# Altium PCB roach2.PcbDoc (part 38 of 39) (continued)
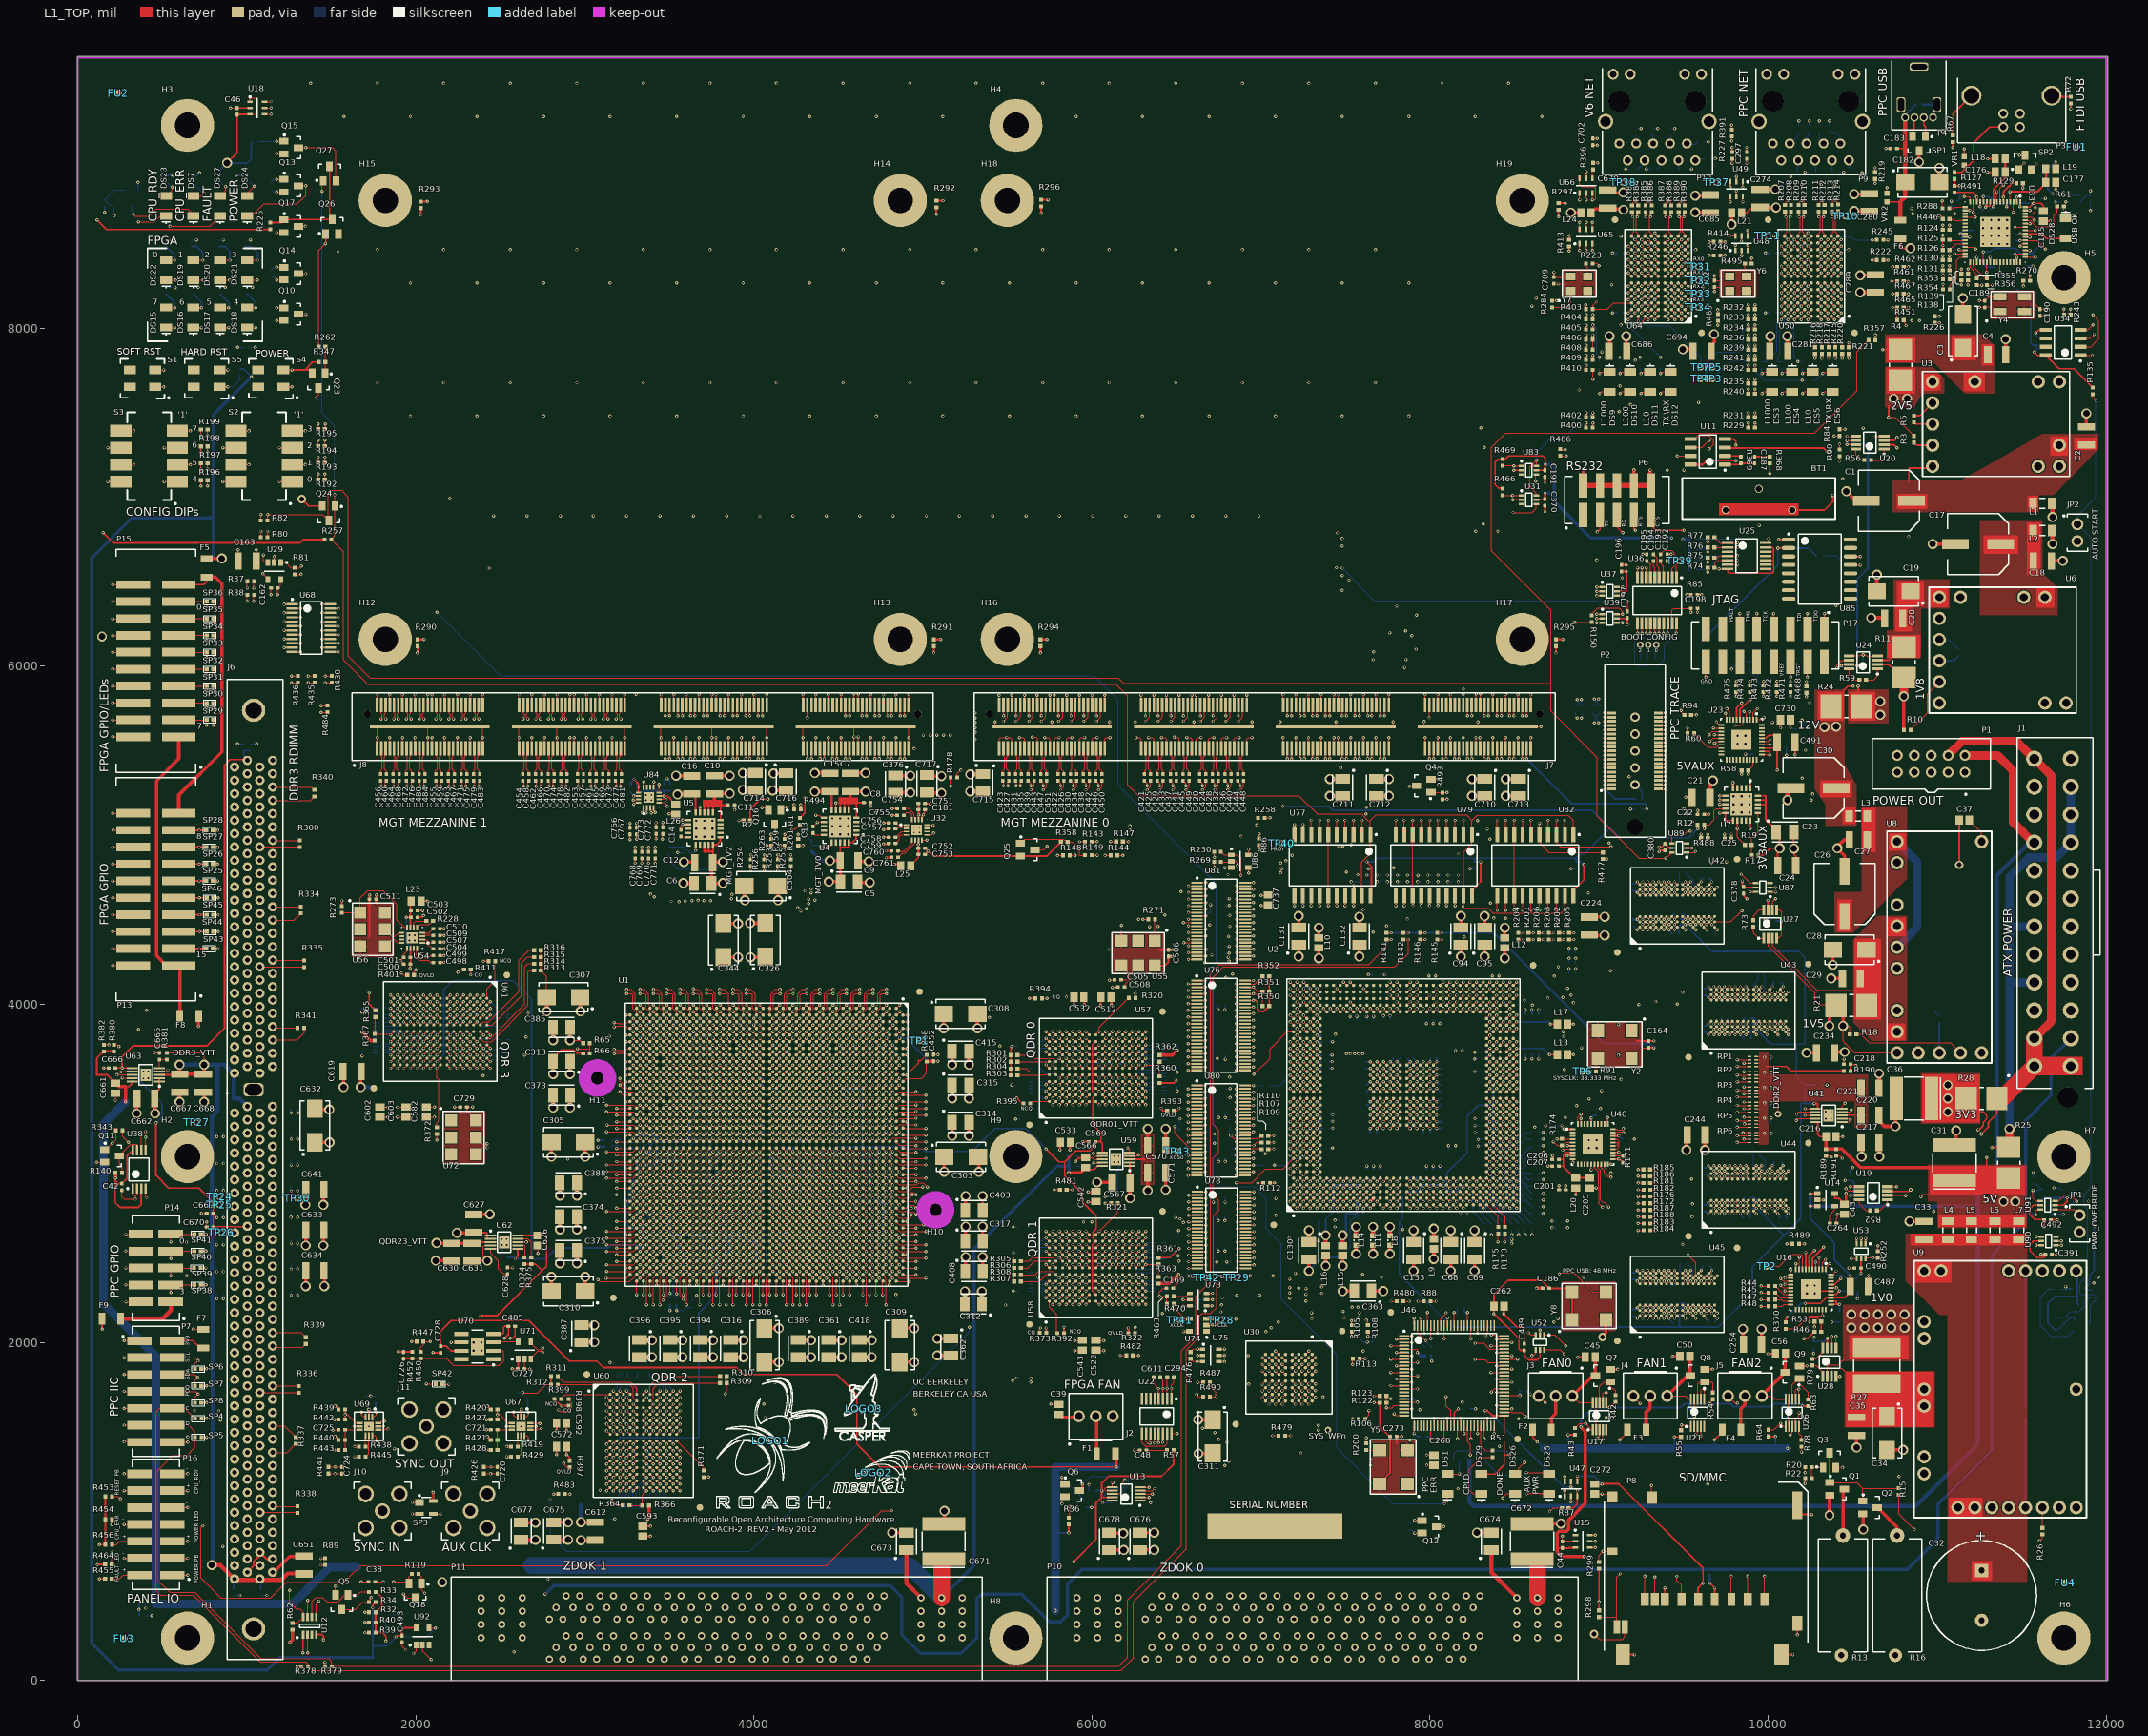
[diagram p0: L1_TOP view]
## Nets (pads, with @x,y where several pads share a name; then routed paths per layer and width w, separated by ;. In a path a pad name is that pad's centre, name@x,y a point inside that pad or via, vN(x,y) a via of type N, cw(c..) or ccw(c..) an arc to the next point about the centre after c; other vN are vias at no path point) (continued)
ZDOK1.DP_P15: P11.D11 U1.U36 | length 3354.1
  L1_TOP w5: U1.U36@4251.07,2596.89 v1(4270.76,2577.2)
  L12_S w3.8: P11.D11@3790.2,362.2 3802.41,374.41 3802.41,408.66 3794.61,416.46 3794.61,445.75 3813.19,464.33 3813.19,803.19 4227.19,1217.19 4227.19,1615.59 ccw(c4222.79,1615.59) 4222.79,1619.99 4181.07,1619.99 cw(c4181.07,1632.19) 4181.07,1644.39 4281.63,1644.39 ccw(c4281.63,1648.79) 4286.03,1648.79 ccw(c4281.63,1648.79) 4281.63,1653.19 4181.07,1653.19 cw(c4181.07,1665.39) 4181.07,1677.59 4281.63,1677.59 ccw(c4281.63,1681.99) 4286.03,1681.99 ccw(c4281.63,1681.99) 4281.63,1686.39 4181.07,1686.39 cw(c4181.07,1698.59) 4181.07,1710.79 4281.63,1710.79 ccw(c4281.63,1715.19) 4286.03,1715.19 ccw(c4281.63,1715.19) 4281.63,1719.59 4181.07,1719.59 cw(c4181.07,1731.79) 4181.07,1743.99 4281.63,1743.99 ccw(c4281.63,1748.39) 4286.03,1748.39 ccw(c4281.63,1748.39) 4281.63,1752.79 4239.39,1752.79 cw(c4239.39,1764.99) 4227.19,1764.99 4227.19,1801.19 4247.99,1821.99 4265.69,1839.69 4265.69,2179.22 4286.73,2200.26 4286.73,2252.55 4267.04,2272.24 4267.04,2390.35 4247.36,2410.03 4247.36,2553.8 v1(4270.76,2577.2)
ZDOK1.DP_P16: P11.D13 U1.T41 | length 3406.6
  L1_TOP w5: U1.T41@4290.44,2400.04 4310.13,2380.35 v2(4310.13,2222.87)
  L14_S w3.8: P11.D13@3990.2,362.2 3990.2,430.3 4029.19,469.3 4029.19,831.19 4059.59,861.59 ccw(c4056.48,864.71) 4060.88,864.71 ccw(c4056.48,864.71) 4059.59,867.82 ; 4059.59,867.82 4018.94,908.47 cw(c4027.56,917.1) 4018.93,925.73 cw(c4027.56,917.1) 4036.18,925.73 4129.25,832.67 ccw(c4132.36,835.78) 4135.47,832.67 ccw(c4132.36,835.78) 4136.76,835.78 ccw(c4132.36,835.78) 4135.47,838.89 ; 4135.46,838.9 4042.41,931.95 cw(c4051.03,940.58) 4042.41,949.21 cw(c4051.03,940.58) 4059.66,949.21 4152.72,856.15 ; 4152.72,856.14 ccw(c4155.83,859.26) 4158.94,856.14 ccw(c4155.83,859.26) 4160.23,859.26 ccw(c4155.83,859.26) 4158.94,862.37 4065.88,955.43 cw(c4074.51,964.05) 4065.88,972.68 cw(c4074.51,964.05) 4083.13,972.68 4176.19,879.62 ccw(c4179.31,882.73) 4182.42,879.62 ccw(c4179.31,882.73) 4183.71,882.73 ccw(c4179.31,882.73) 4182.42,885.84 4089.36,978.9 cw(c4097.98,987.53) 4089.36,996.16 cw(c4097.98,987.53) 4106.61,996.16 4199.67,903.09 ccw(c4202.78,906.21) 4205.89,903.09 ccw(c4202.78,906.21) 4207.18,906.21 ccw(c4202.78,906.21) 4205.89,909.32 ; 4205.89,909.32 4165.23,949.98 cw(c4173.86,958.61) 4165.23,967.23 4373.42,1175.42 4373.42,2040.93 4340.59,2073.76 4340.59,2170.39 4338.99,2171.99 4338.99,2234.99 4325.99,2247.99 4315.99,2247.99 4311.02,2243.02 v2@4311.02,2224.41
ZDOK1.DP_P17: P11.D15 U1.R39 | length 3344.2
  L1_TOP w5: U1.R39@4329.81,2478.78 v1(4349.5,2459.09)
  L9_R w3.8: P11.D15@4190.2,362.2 4194.61,366.61 4194.61,485.72 4197.48,488.59 4197.48,511.41 4194.61,514.28 4194.61,1036.61 4273.99,1115.99 4335.62,1177.62 cw(c4344.25,1169) 4352.87,1177.62 4397.24,1133.25 ccw(c4400.36,1136.36) 4403.47,1133.25 ccw(c4400.36,1136.36) 4404.76,1136.36 ccw(c4400.36,1136.36) 4403.47,1139.47 4302.99,1239.95 cw(c4311.62,1248.58) 4302.99,1257.2 cw(c4311.62,1248.58) 4320.24,1257.2 4370.48,1206.97 ; v1(4349.5,2459.09) 4349.5,2441.96 4365.47,2425.99 4365.47,2370.66 4384.78,2351.35 4384.78,2275.47 4384.69,2275.38 4384.69,2245.19 4365.99,2226.49 4365.99,2153.76 4448.19,2071.56 4448.19,1290.19 4429.53,1271.53 ccw(c4438.15,1262.9) 4429.52,1254.27 ; 4370.49,1206.96 4420.72,1156.73 ccw(c4423.83,1159.84) 4426.94,1156.73 ccw(c4423.83,1159.84) 4428.23,1159.84 ccw(c4423.83,1159.84) 4426.94,1162.95 4326.47,1263.43 cw(c4335.09,1272.05) 4326.47,1280.68 cw(c4335.09,1272.05) 4343.72,1280.68 4444.19,1180.21 ccw(c4447.31,1183.31) 4450.42,1180.2 ccw(c4447.31,1183.31) 4451.71,1183.31 ccw(c4447.31,1183.31) 4450.42,1186.43 4349.94,1286.9 cw(c4358.57,1295.53) 4349.94,1304.15 cw(c4358.57,1295.53) 4367.19,1304.15 4467.66,1203.68 ; 4429.53,1254.26 4473.89,1209.91 cw(c4470.78,1206.79) 4475.18,1206.79 cw(c4470.78,1206.79) 4473.89,1203.68 cw(c4470.78,1206.79) 4467.67,1203.68
ZDOK1.DP_P18: P11.D17 U1.N36 | length 3403.2
  L1_TOP w5: U1.N36@4409.45,2598.43 4428.24,2579.64 v1(4428.24,2577.2)
  L5_S w3.8: P11.D17@4390.2,362.2 4403.78,362.2 4424.99,340.99 4424.99,317.96 4429.48,313.48 4435.76,307.19 4710.22,307.19 4808.79,405.76 4808.79,547.19 4692.79,663.19 4692.79,689.8 ccw(c4688.89,704.8) 4704.39,704.8 ccw(c4688.89,704.8) 4688.89,720.3 cw(c4688.89,728) 4688.89,735.7 ccw(c4688.89,751.2) 4704.39,751.2 ccw(c4688.89,751.2) 4688.89,766.7 cw(c4688.89,774.4) 4688.89,782.1 ccw(c4688.89,797.6) 4704.39,797.6 ccw(c4688.89,797.6) 4688.89,813.1 cw(c4688.89,820.8) 4688.89,828.5 ccw(c4688.89,844) 4704.39,844 ccw(c4688.89,844) 4688.89,859.5 cw(c4688.89,867.2) 4688.89,874.9 ccw(c4688.89,890.4) 4704.39,890.4 ccw(c4688.89,890.4) 4688.89,905.9 cw(c4688.89,913.6) 4688.89,921.3 ccw(c4688.89,936.8) 4704.39,936.8 ccw(c4688.89,936.8) 4688.89,952.3 cw(c4688.89,960) 4688.89,967.7 ccw(c4688.89,983.2) 4704.39,983.2 ccw(c4688.89,983.2) 4688.89,998.7 cw(c4688.89,1006.4) 4688.89,1014.1 ccw(c4688.89,1029.6) 4704.39,1029.6 ccw(c4688.89,1029.6) 4688.89,1045.1 cw(c4688.89,1052.8) 4688.89,1060.5 ccw(c4688.89,1076) 4704.39,1076 ccw(c4688.89,1076) 4692.79,1091 4692.79,1298.59 cw(c4697.19,1298.59) 4697.19,1302.99 4740.43,1302.99 ccw(c4740.43,1315.19) 4752.63,1315.19 ccw(c4740.43,1315.19) 4740.43,1327.39 4650.15,1327.39 cw(c4650.15,1331.79) 4650.15,1336.19 4740.43,1336.19 ccw(c4740.43,1348.39) 4752.63,1348.39 ccw(c4740.43,1348.39) 4740.43,1360.59 4697.19,1360.59 cw(c4697.19,1364.99) 4692.79,1364.99 4692.79,1407.19 4422.49,1677.49 4422.49,2317.83 4432.85,2328.19 4432.85,2345.78 4412.27,2366.36 4412.27,2522.23 4412.27,2561.23 v1(4428.24,2577.2)
ZDOK1.DP_P19: P11.D19 U1.N40 | length 3366.5
  L1_TOP w5: U1.N40@4408.55,2439.41 v1(4428.24,2419.72)
  L14_S w3.8: v1@4429.13,2421.26 4429.13,2419.72 4429.13,2401.52 4443.84,2386.81 4443.84,2376.15 4471.69,2348.29 4471.69,2254.32 4491.38,2234.63 4491.38,2150.41 4562.99,2078.79 4562.99,1644.99 ccw(c4567.39,1644.99) 4567.39,1640.59 4605.4,1640.59 cw(c4605.4,1628.39) 4617.6,1628.39 cw(c4605.4,1628.39) 4605.4,1616.19 4500.78,1616.19 ccw(c4500.78,1611.79) 4500.78,1607.39 4605.4,1607.39 cw(c4605.4,1595.19) 4617.6,1595.19 cw(c4605.4,1595.19) 4605.4,1582.99 4500.78,1582.99 ccw(c4500.78,1578.59) 4500.78,1574.19 4605.4,1574.19 cw(c4605.4,1561.99) 4617.6,1561.99 cw(c4605.4,1561.99) 4605.4,1549.79 4500.78,1549.79 ccw(c4500.78,1545.39) 4500.78,1540.99 4605.4,1540.99 cw(c4605.4,1528.79) 4617.6,1528.79 cw(c4605.4,1528.79) 4605.4,1516.59 4500.78,1516.59 ccw(c4500.78,1512.19) 4500.78,1507.79 4605.4,1507.79 cw(c4605.4,1495.59) 4617.6,1495.59 cw(c4605.4,1495.59) 4605.4,1483.39 4567.39,1483.39 ccw(c4567.39,1478.99) 4562.99,1478.99 4562.99,739.96 4428.99,605.96 4428.99,502.99 4492.79,439.19 4492.79,401.19 4572.99,320.99 4588.99,320.99 4592.99,324.99 4592.99,359.41 P11.D19@4590.2,362.2
ZDOK1.DP_P20: P11.C1 U1.AA35 | length 3357
  L1_TOP w5: U1.AA35@4093.59,2636.26 v1(4113.28,2616.57)
  L12_S w3.8: P11.C1@2890,263.78 2902.41,276.19 2902.41,408.66 2894.61,416.46 2894.61,445.75 2921.19,472.33 2921.19,638.42 3299.76,1016.99 3478.59,1016.99 cw(c3478.59,1004.79) 3490.79,1004.79 3490.79,961.46 ccw(c3495.19,961.46) 3499.59,961.46 3499.59,1064.72 cw(c3511.79,1064.72) 3523.99,1064.72 3523.99,989.11 ccw(c3528.39,989.11) 3532.79,989.11 3532.79,1004.79 cw(c3544.99,1004.79) 3544.99,1016.99 3588.99,1016.99 3925.71,1353.71 3925.71,1836.71 4012.03,1923.03 4025.39,1936.39 4025.39,2136.92 4109.56,2221.09 4109.56,2377.39 4089.88,2397.08 4089.88,2593.17 v1(4113.28,2616.57) ; v1@4112.96,2616.89 v1@4114.17,2618.11
ZDOK1.DP_P21: P11.C3 U1.W32 | length 3362.9
  L1_TOP w5: U1.W32@4172.33,2754.37 v1(4192.02,2734.68)
  L3_S w3.8: 3106.1,279.88 P11.C3@3090,263.78 3059.21,232.99 3048.99,232.99 3030.99,250.99 3030.99,369.96 3071.28,410.25 3071.28,452.71 3062.45,461.54 3062.45,526.45 3138.99,602.99 3186.79,602.99 3388.99,805.19 3592.22,805.19 3833.5,1046.47 3871.75,1084.72 3876.99,1089.96 3876.99,1155.79 cw(c3881.39,1155.79) 3881.39,1160.19 3912.82,1160.19 ccw(c3912.82,1172.39) 3925.02,1172.39 ccw(c3912.82,1172.39) 3912.82,1184.59 3881.39,1184.59 cw(c3881.39,1188.99) 3876.99,1188.99 3876.99,1455.19 4010.99,1589.19 4066.22,1589.19 4104.51,1627.48 4104.51,2157.51 4156.73,2209.73 4156.73,2299.23 4176.42,2318.92 4176.42,2719.08 v1(4192.02,2734.68)
ZDOK1.DP_P22: P11.C5 U1.W36 | length 3377.8
  L1_TOP w5: U1.W36@4172.33,2596.89 v1(4192.02,2577.2)
  L12_S w3.8: P11.C5@3290,263.78 3344.99,318.77 3344.99,407.17 3357.51,419.69 3357.51,442.52 3334.57,465.46 3334.57,688.57 3444.99,798.99 3606.99,798.99 4035.19,1227.19 4035.19,1325.39 cw(c4047.39,1325.39) 4047.39,1337.59 4103.87,1337.59 ccw(c4103.87,1341.99) 4108.27,1341.99 ccw(c4103.87,1341.99) 4103.87,1346.39 4017.71,1346.39 cw(c4017.71,1358.59) 4017.71,1370.79 4103.87,1370.79 ccw(c4103.87,1375.19) 4108.27,1375.19 ccw(c4103.87,1375.19) 4103.87,1379.59 4017.71,1379.59 cw(c4017.71,1391.79) 4017.71,1403.99 4103.87,1403.99 ccw(c4103.87,1408.39) 4108.27,1408.39 ccw(c4103.87,1408.39) 4103.87,1412.79 4047.39,1412.79 cw(c4047.39,1424.99) 4035.19,1424.99 4035.19,1563.19 4094.71,1622.71 4094.71,1958.71 4183.42,2047.42 4183.42,2137.95 4207.99,2162.52 4207.99,2307.61 4168.62,2346.98 4168.62,2554.44 4191.7,2577.52 v1@4192.91,2578.74
ZDOK1.DP_P23: P11.C7 U1.V40 | length 3339.9
  L1_TOP w5: U1.V40@4211.7,2439.41 v1(4231.39,2419.72)
  L14_S w3.8: 3468.99,226.99 3466.99,226.99 ; P11.C7@3490,263.78 3490,234 3482.99,226.99 3466.99,226.99 ; 3985.44,1015.92 4011.6,989.76 ccw(c4020.23,998.38) 4028.85,989.76 ccw(c4020.23,998.38) 4032.42,998.38 ccw(c4020.23,998.38) 4028.85,1007.01 3954.93,1080.93 cw(c3958.04,1084.05) 3954.93,1087.16 cw(c3958.04,1084.05) 3961.15,1087.16 4035.07,1013.23 ccw(c4043.7,1021.86) 4052.33,1013.23 ccw(c4043.7,1021.86) 4055.9,1021.86 ccw(c4043.7,1021.86) 4052.33,1030.49 3978.4,1104.41 cw(c3981.51,1107.52) 3978.4,1110.63 cw(c3981.51,1107.52) 3984.62,1110.63 4058.55,1036.71 ccw(c4067.18,1045.33) 4075.8,1036.71 ccw(c4067.18,1045.33) 4079.37,1045.33 ccw(c4067.18,1045.33) 4075.8,1053.96 4055.51,1074.25 cw(c4058.62,1077.37) 4055.51,1080.48 4234.49,1259.46 4254.79,1279.76 4254.79,2232.57 4235.1,2252.25 4235.1,2381.1 4246.49,2392.49 4246.49,2404.62 v1(4231.39,2419.72) ; 3985.43,1015.93 3937.68,1063.68 ccw(c3934.56,1060.57) 3931.45,1063.68 ccw(c3934.56,1060.57) 3931.45,1057.46 3973.34,1015.57 cw(c3964.72,1006.94) 3976.92,1006.94 cw(c3964.72,1006.94) 3973.34,998.31 3812.51,837.48 3528.99,553.96 3528.99,479.96 3492.99,443.96 3492.99,389.33 3505.47,376.85 3505.47,342.44 3436.99,273.96 3436.99,252.99 3462.99,226.99 3466.99,226.99 ; v1@4231.07,2420.04 v1@4232.28,2421.26
ZDOK1.DP_P24: P11.C9 U1.U37 | length 3384.2
  L1_TOP w5: U1.U37@4251.07,2557.52 v1(4270.76,2537.83)
  L9_R w3.8: P11.C9@3690,263.78 3694.2,263.78 3719.99,237.99 3708.99,226.99 3660.99,226.99 3654.79,233.19 3654.79,303.57 3678.08,326.85 3684.76,326.85 3705.47,347.56 3705.47,405.59 3650.99,460.07 3650.99,596.99 cw(c3655.39,596.99) 3655.39,601.39 3705.58,601.39 ccw(c3705.58,613.59) 3717.78,613.59 ccw(c3705.58,613.59) 3705.58,625.79 3655.39,625.79 cw(c3655.39,630.19) 3655.39,634.59 3705.58,634.59 ccw(c3705.58,646.79) 3717.78,646.79 ccw(c3705.58,646.79) 3705.58,658.99 3655.39,658.99 cw(c3655.39,663.39) 3655.39,667.79 3705.58,667.79 ccw(c3705.58,679.99) 3717.78,679.99 ccw(c3705.58,679.99) 3705.58,692.19 3655.39,692.19 cw(c3655.39,696.59) 3655.39,700.99 3705.58,700.99 ccw(c3705.58,713.19) 3717.78,713.19 ccw(c3705.58,713.19) 3705.58,725.39 3655.39,725.39 cw(c3655.39,729.79) 3655.39,734.19 3705.58,734.19 ccw(c3705.58,746.39) 3717.78,746.39 ccw(c3705.58,746.39) 3705.58,758.59 3655.39,758.59 cw(c3655.39,762.99) 3650.99,762.99 3650.99,821.96 4065.51,1236.48 4291.51,1462.48 4291.51,2145.48 4294.53,2148.49 4294.53,2229.53 4316.59,2251.59 4316.59,2273.09 4314.21,2275.47 4314.21,2393.58 4294.53,2413.26 4294.53,2514.06 v1(4270.76,2537.83)
ZDOK1.DP_P25: P11.C11 U1.T39 | length 3368
  L1_TOP w5: U1.T39@4290.44,2478.78 v1(4310.13,2459.09)
  L12_S w3.8: P11.C11@3890,263.78 3944.71,318.49 3944.71,392.71 3957.51,405.51 3957.51,451.44 3925.19,483.76 3925.19,715.19 4341.19,1131.19 4341.19,1556.79 ccw(c4336.79,1556.79) 4336.79,1561.19 4330.19,1561.19 cw(c4330.19,1573.39) 4330.19,1585.59 4375.91,1585.59 ccw(c4375.91,1589.99) 4380.31,1589.99 ccw(c4375.91,1589.99) 4375.91,1594.39 4330.19,1594.39 cw(c4330.19,1606.59) 4330.19,1618.79 4375.91,1618.79 ccw(c4375.91,1623.19) 4380.31,1623.19 ccw(c4375.91,1623.19) 4375.91,1627.59 4330.19,1627.59 cw(c4330.19,1639.79) 4330.19,1651.99 4375.91,1651.99 ccw(c4375.91,1656.39) 4380.31,1656.39 ccw(c4375.91,1656.39) 4375.91,1660.79 4330.19,1660.79 cw(c4330.19,1672.99) 4330.19,1685.19 4375.91,1685.19 ccw(c4375.91,1689.59) 4380.31,1689.59 ccw(c4375.91,1689.59) 4375.91,1693.99 4330.19,1693.99 cw(c4330.19,1706.19) 4330.19,1718.39 4375.91,1718.39 ccw(c4375.91,1722.79) 4380.31,1722.79 ccw(c4375.91,1722.79) 4375.91,1727.19 4330.19,1727.19 cw(c4330.19,1739.39) 4330.19,1751.59 4375.91,1751.59 ccw(c4375.91,1755.99) 4380.31,1755.99 ccw(c4375.91,1755.99) 4375.91,1760.39 4330.19,1760.39 cw(c4330.19,1772.59) 4330.19,1784.79 4375.91,1784.79 ccw(c4375.91,1789.19) 4380.31,1789.19 ccw(c4375.91,1789.19) 4375.91,1793.59 4330.19,1793.59 cw(c4330.19,1805.79) 4330.19,1817.99 4375.91,1817.99 ccw(c4375.91,1822.39) 4380.31,1822.39 ccw(c4375.91,1822.39) 4375.91,1826.79 4353.39,1826.79 cw(c4353.39,1838.99) 4341.19,1838.99 4341.19,1866.09 4373.42,1898.32 4373.42,2090.97 4326.62,2137.76 4326.62,2174.15 4345.41,2192.94 4345.41,2351.35 4326.1,2370.66 4326.1,2443.12 v1(4310.13,2459.09)
ZDOK1.DP_P26: P11.C13 U1.P42 | length 3354.7
  L1_TOP w5: v2(4369.18,2281.93) U1.P42@4369.18,2360.67
  L14_S w3.8: P11.C13@4090,263.78 4114.2,263.78 4124.99,252.99 4124.99,240.99 4106.99,222.99 4062.99,222.99 4034.99,250.99 4034.99,295.19 4056.99,317.19 4080.22,317.19 4110.79,347.76 4110.79,385.19 4094.79,401.19 4094.79,441.19 4058.99,476.99 4058.99,651.96 4296.86,889.83 ; 4296.86,907.1 4256.15,947.81 cw(c4259.26,950.92) 4256.15,954.04 cw(c4259.26,950.92) 4262.37,954.04 4355.55,860.85 ccw(c4364.18,869.48) 4372.8,860.85 ccw(c4364.18,869.48) 4376.38,869.48 ccw(c4364.18,869.48) 4372.8,878.11 4279.63,971.28 cw(c4282.73,974.4) 4279.62,977.51 cw(c4282.73,974.4) 4285.84,977.51 4379.03,884.33 ccw(c4387.65,892.95) 4396.28,884.33 ccw(c4387.65,892.95) 4399.85,892.95 ccw(c4387.65,892.95) 4396.28,901.58 4303.1,994.76 cw(c4306.21,997.87) 4303.1,1000.99 cw(c4306.21,997.87) 4309.32,1000.99 4355.9,954.4 4402.5,907.81 ccw(c4411.13,916.43) 4419.75,907.8 ccw(c4411.13,916.43) 4423.33,916.43 ccw(c4411.13,916.43) 4419.75,925.06 4377.51,967.3 cw(c4379.09,968.89) 4377.51,970.48 4409.79,1002.76 4409.79,2058.19 4377.99,2089.99 4377.99,2234.79 4353.79,2258.99 4353.79,2267.18 4368.86,2282.25 v2@4370.08,2283.46 ; 4296.87,889.84 ccw(c4288.24,898.46) 4300.44,898.46 ccw(c4288.24,898.46) 4296.87,907.09
ZDOK1.DP_P27: P11.C15 U1.P40 | length 3381.4
  L1_TOP w5: U1.P40@4369.18,2439.41 v1(4388.87,2419.72)
  L14_S w3.8: 4250.24,793.61 4334.53,709.32 ccw(c4337.65,712.43) 4340.76,709.32 ccw(c4337.65,712.43) 4342.05,712.43 ccw(c4337.65,712.43) 4340.76,715.54 4256.46,799.84 cw(c4265.09,808.47) 4256.46,817.09 cw(c4265.09,808.47) 4273.71,817.09 4322.16,768.65 4358.01,732.8 ccw(c4361.12,735.91) 4364.23,732.79 ccw(c4361.12,735.91) 4365.52,735.91 ccw(c4361.12,735.91) 4364.23,739.02 4279.94,823.31 cw(c4288.56,831.94) 4279.93,840.57 cw(c4288.56,831.94) 4297.19,840.57 4345.63,792.12 ; 4250.24,793.62 ccw(c4241.61,784.99) 4232.98,793.62 ccw(c4241.61,784.99) 4232.98,776.37 4317.28,692.07 cw(c4314.17,688.96) 4318.57,688.96 cw(c4314.17,688.96) 4317.28,685.84 cw(c4314.17,688.96) 4311.06,685.84 4226.77,770.14 ccw(c4218.13,761.52) 4209.51,770.14 ccw(c4218.13,761.52) 4209.51,752.89 4252.08,710.32 cw(c4248.98,707.2) 4253.38,707.2 cw(c4248.98,707.2) 4252.09,704.09 4237.19,689.19 4237.19,473.76 4326.06,384.89 4326.06,299.84 P11.C15@4290,263.78 ; 4345.64,792.12 4381.48,756.27 ccw(c4384.6,759.38) 4387.71,756.27 ccw(c4384.6,759.38) 4389,759.38 ccw(c4384.6,759.38) 4387.71,762.49 4357.73,792.47 cw(c4366.35,801.1) 4357.73,809.73 4417.99,869.99 4437.19,889.19 4437.19,2081.36 4385.79,2132.76 4385.79,2289.81 4366.19,2309.41 4366.19,2380.38 4389.76,2403.95 4389.76,2419.72 v1@4389.76,2421.26
ZDOK1.DP_P28: P11.C17 U1.M38 | length 3399.4
  L1_TOP w5: U1.M38@4447.92,2518.15 v1(4467.61,2498.46)
  L12_S w3.8: v1(4467.61,2498.46) 4467.61,2498.09 4444.21,2474.69 4444.21,2410.03 4463.89,2390.35 4463.89,2252.25 4442.19,2230.55 4442.19,2150.56 4445.19,2147.56 4445.19,1863.76 4526.99,1781.96 4526.99,1764.99 ccw(c4539.19,1764.99) 4539.19,1752.79 4582.67,1752.79 cw(c4582.67,1748.39) 4587.07,1748.39 cw(c4582.67,1748.39) 4582.67,1743.99 4479.4,1743.99 ccw(c4479.4,1731.79) 4479.4,1719.59 4598.98,1719.59 cw(c4598.98,1715.19) 4603.38,1715.19 cw(c4598.98,1715.19) 4598.98,1710.79 4479.4,1710.79 ccw(c4479.4,1698.59) 4479.4,1686.39 4598.98,1686.39 cw(c4598.98,1681.99) 4603.38,1681.99 cw(c4598.98,1681.99) 4598.98,1677.59 4479.4,1677.59 ccw(c4479.4,1665.39) 4479.4,1653.19 4598.98,1653.19 cw(c4598.98,1648.79) 4603.38,1648.79 cw(c4598.98,1648.79) 4598.98,1644.39 4479.4,1644.39 ccw(c4479.4,1632.19) 4479.4,1619.99 4522.59,1619.99 cw(c4522.59,1615.59) 4526.99,1615.59 4526.99,976.99 4440.71,890.71 4440.71,478.25 4482.99,435.96 4482.99,411.96 4521.48,373.48 4521.48,295.26 P11.C17@4490,263.78
ZDOK1.DP_P29: P11.F1 U1.AA36 | length 3401.3
  L1_TOP w5: U1.AA36@4093.59,2596.89 v1(4113.28,2577.2)
  L3_S w3.8: P11.F1@2890,500 2926.06,536.06 2926.06,584.06 3330.99,988.99 3576.99,988.99 3702.99,1114.99 3702.99,1272.19 cw(c3715.19,1272.19) 3715.19,1284.39 3768.38,1284.39 ccw(c3768.38,1288.79) 3772.78,1288.79 ccw(c3768.38,1288.79) 3768.38,1293.19 3691.6,1293.19 cw(c3691.6,1305.39) 3691.6,1317.59 3769.67,1317.59 ccw(c3769.67,1321.99) 3774.07,1321.99 ccw(c3769.67,1321.99) 3769.67,1326.39 3691.6,1326.39 cw(c3691.6,1338.59) 3691.6,1350.79 3768.38,1350.79 ccw(c3768.38,1355.19) 3772.78,1355.19 ccw(c3768.38,1355.19) 3768.38,1359.59 3691.6,1359.59 cw(c3691.6,1371.79) 3691.6,1383.99 3768.38,1383.99 ccw(c3768.38,1388.39) 3772.78,1388.39 ccw(c3768.38,1388.39) 3768.38,1392.79 3715.19,1392.79 cw(c3715.19,1404.99) 3702.99,1404.99 3702.99,1515.79 3878.19,1690.99 3878.19,2029.22 3918.69,2069.72 3918.69,2093.22 4011.13,2185.66 4011.13,2286.16 4089.88,2364.91 4089.88,2536.5 4113.28,2559.9 v1(4113.28,2577.2)
ZDOK1.DP_P30: P11.F3 U1.W42 | length 3304
  L1_TOP w5: v2(4172.33,2281.93) U1.W42@4172.33,2360.67
  L14_S w3.8: P11.F3@3090,500 3088.99,498.99 3032.99,498.99 3022.99,508.99 3022.99,606.99 3183.19,767.19 3488.22,767.19 3674.99,953.96 3674.99,1008.19 cw(c3679.39,1008.19) 3679.39,1012.59 3732.03,1012.59 ccw(c3732.03,1024.79) 3744.23,1024.79 ccw(c3732.03,1024.79) 3732.03,1036.99 3642.16,1036.99 cw(c3642.16,1041.39) 3642.16,1045.79 3732.03,1045.79 ccw(c3732.03,1057.99) 3744.23,1057.99 ccw(c3732.03,1057.99) 3732.03,1070.19 3642.16,1070.19 cw(c3642.16,1074.59) 3642.16,1078.99 3732.03,1078.99 ccw(c3732.03,1091.19) 3744.23,1091.19 ccw(c3732.03,1091.19) 3732.03,1103.39 3642.16,1103.39 cw(c3642.16,1107.79) 3642.16,1112.19 3732.03,1112.19 ccw(c3732.03,1124.39) 3744.23,1124.39 ccw(c3732.03,1124.39) 3732.03,1136.59 3679.39,1136.59 cw(c3679.39,1140.99) 3674.99,1140.99 3674.99,1217.96 4030.99,1573.96 4030.99,1659.96 4062.99,1691.96 4062.99,1876.99 ; 4062.99,1875.99 4062.99,1876.99 ; 4064.99,1878.99 4062.99,1876.99 ; v2@4173.23,2283.46 4172.01,2282.25 4157.44,2267.68 4157.44,2159.41 4062.99,2064.96 4062.99,1876.99
ZDOK1.DP_P31: P11.F5 U1.Y40 | length 3358.2
  L1_TOP w5: U1.Y40@4132.96,2439.41 v1(4152.65,2419.72)
  L14_S w3.8: P11.F5@3290,500 3326.06,536.06 3326.06,629.29 3389.76,692.99 3460.99,692.99 3759.19,991.19 3759.19,1217.19 3817.85,1275.85 ccw(c3814.75,1278.97) 3819.15,1278.97 ccw(c3814.75,1278.97) 3817.86,1282.08 3794.32,1305.62 ; 3794.32,1305.62 cw(c3802.94,1314.25) 3794.32,1322.88 cw(c3802.94,1314.25) 3811.57,1322.88 3840.98,1293.47 ; 3840.99,1293.46 3867.39,1267.06 ccw(c3870.5,1270.17) 3873.62,1267.05 ccw(c3870.5,1270.17) 3874.9,1270.17 ccw(c3870.5,1270.17) 3873.62,1273.28 3817.8,1329.1 cw(c3826.42,1337.73) 3817.79,1346.35 cw(c3826.42,1337.73) 3835.04,1346.35 3864.45,1316.95 3890.86,1290.53 ; 3887.94,1340.41 3914.34,1314.01 ccw(c3917.45,1317.12) 3920.57,1314 ccw(c3917.45,1317.12) 3921.85,1317.12 ccw(c3917.45,1317.12) 3920.57,1320.23 3864.75,1376.05 cw(c3873.37,1384.68) 3864.74,1393.3 cw(c3873.37,1384.68) 3881.99,1393.3 3911.4,1363.9 3937.81,1337.48 ; 3887.93,1340.42 3858.52,1369.83 ccw(c3849.89,1361.2) 3841.27,1369.83 ccw(c3849.89,1361.2) 3841.27,1352.58 3897.09,1296.75 cw(c3893.98,1293.64) 3898.38,1293.64 cw(c3893.98,1293.64) 3897.09,1290.53 cw(c3893.98,1293.64) 3890.87,1290.53 ; 3934.89,1387.36 3961.29,1360.96 ccw(c3964.4,1364.07) 3967.52,1360.96 ccw(c3964.4,1364.07) 3968.8,1364.07 ccw(c3964.4,1364.07) 3967.52,1367.18 3911.7,1423 cw(c3920.32,1431.63) 3911.69,1440.25 cw(c3920.32,1431.63) 3928.95,1440.25 3952.49,1416.71 ccw(c3955.6,1419.82) 3958.71,1416.71 4042.99,1500.99 4087.19,1545.19 4087.19,1779.19 4102.19,1794.19 4102.19,1961.19 4183.42,2042.42 4183.42,2088.99 4183.42,2112.59 4168.49,2127.52 4168.49,2256.03 4187.93,2275.47 4187.93,2384.44 v1(4152.65,2419.72) ; 3934.88,1387.37 3905.47,1416.78 ccw(c3896.84,1408.15) 3888.22,1416.78 ccw(c3896.84,1408.15) 3888.22,1399.53 3944.04,1343.7 cw(c3940.93,1340.59) 3945.33,1340.59 cw(c3940.93,1340.59) 3944.04,1337.48 cw(c3940.93,1340.59) 3937.82,1337.48 ; v1@4153.54,2421.26 v1@4153.86,2420.94
ZDOK1.DP_P32: P11.F7 U1.V38 | length 3331.9
  L1_TOP w5: U1.V38@4211.7,2518.15 v1(4231.39,2498.46)
  L12_S w3.8: P11.F7@3490,500 3460.99,470.99 3448.99,470.99 3424.99,494.99 3424.99,565.19 3496.99,637.19 3552.22,637.19 4160.51,1245.48 4160.51,1434.19 cw(c4164.91,1434.19) 4164.91,1438.59 4201.53,1438.59 ccw(c4201.53,1450.79) 4213.73,1450.79 ccw(c4201.53,1450.79) 4201.53,1462.99 4090.57,1462.99 cw(c4090.57,1467.39) 4090.57,1471.79 4201.53,1471.79 ccw(c4201.53,1483.99) 4213.73,1483.99 ccw(c4201.53,1483.99) 4201.53,1496.19 4090.57,1496.19 cw(c4090.57,1500.59) 4090.57,1504.99 4201.53,1504.99 ccw(c4201.53,1517.19) 4213.73,1517.19 ccw(c4201.53,1517.19) 4201.53,1529.39 4090.64,1529.39 cw(c4090.64,1533.79) 4090.64,1538.19 4201.53,1538.19 ccw(c4201.53,1550.39) 4213.73,1550.39 ccw(c4201.53,1550.39) 4201.53,1562.59 4164.91,1562.59 cw(c4164.91,1566.99) 4160.51,1566.99 4160.51,1812.48 4255.16,1907.12 4255.16,2255.78 4235.47,2275.47 4235.47,2393.58 4215.79,2413.26 4215.79,2482.86 v1(4231.39,2498.46)
ZDOK1.DP_P33: P11.F9 U1.V34 | length 3378.1
  L1_TOP w5: U1.V34@4211.7,2675.63 v1(4231.39,2655.94)
  L5_S w3.8: P11.F9@3690,500 3727.19,537.19 3727.19,714.19 cw(c3739.39,714.19) 3739.39,726.39 3794.47,726.39 ccw(c3794.47,730.79) 3798.87,730.79 ccw(c3794.47,730.79) 3794.47,735.19 3667.71,735.19 cw(c3667.71,747.39) 3667.71,759.59 3794.47,759.59 ccw(c3794.47,763.99) 3798.87,763.99 ccw(c3794.47,763.99) 3794.47,768.39 3667.71,768.39 cw(c3667.71,780.59) 3667.71,792.79 3794.47,792.79 ccw(c3794.47,797.19) 3798.87,797.19 ccw(c3794.47,797.19) 3794.47,801.59 3667.71,801.59 cw(c3667.71,813.79) 3667.71,825.99 3794.47,825.99 ccw(c3794.47,830.39) 3798.87,830.39 ccw(c3794.47,830.39) 3794.47,834.79 3739.39,834.79 cw(c3739.39,846.99) 3727.19,846.99 3727.19,957.19 4200.19,1430.19 4200.19,1972.19 4247.99,2019.99 4247.99,2024.99 4246.99,2026 4246.99,2263.95 4235.47,2275.47 4235.47,2288.39 4247.19,2300.11 4247.19,2640.14 v1(4231.39,2655.94)
ZDOK1.DP_P34: P11.F11 U1.T34 | length 3402.6
  L1_TOP w5: U1.T34@4290.44,2675.63 v1(4310.13,2655.94)
  L5_S w3.8: P11.F11@3890,500 3929.19,539.19 3929.19,690.19 cw(c3941.39,690.19) 3941.39,702.39 4002.79,702.39 ccw(c4002.79,706.79) 4007.19,706.79 ccw(c4002.79,706.79) 4002.79,711.19 3863.4,711.19 cw(c3863.4,723.39) 3863.4,735.59 4002.79,735.59 ccw(c4002.79,739.99) 4007.19,739.99 ccw(c4002.79,739.99) 4002.79,744.39 3863.4,744.39 cw(c3863.4,756.59) 3863.4,768.79 4002.79,768.79 ccw(c4002.79,773.19) 4007.19,773.19 ccw(c4002.79,773.19) 4002.79,777.59 3863.4,777.59 cw(c3863.4,789.79) 3863.4,801.99 4002.79,801.99 ccw(c4002.79,806.39) 4007.19,806.39 ccw(c4002.79,806.39) 4002.79,810.79 3941.39,810.79 cw(c3941.39,822.99) 3929.19,822.99 3929.19,879.19 4234.19,1184.19 4234.19,1951.22 4270.71,1987.74 4270.71,2109.71 4286.73,2125.72 4286.73,2260.26 4274.84,2272.14 4274.84,2288.39 4286.36,2299.91 4286.36,2632.17 v1(4310.13,2655.94)
ZDOK1.DP_P35: P11.F13 U1.R40 | length 3341.3
  L1_TOP w5: U1.R40@4329.81,2439.41 v1(4349.5,2419.72)
  L9_R w3.8: P11.F13@4090,500 4088.99,498.99 4088.99,466.99 4084.99,462.99 4066.99,462.99 4042.99,486.99 4042.99,767.59 ccw(c4030.79,767.59) 4030.79,779.79 3975.28,779.79 cw(c3975.28,784.19) 3975.28,788.59 4102.91,788.59 ccw(c4102.91,800.79) 4115.11,800.79 ccw(c4102.91,800.79) 4102.91,812.99 3975.28,812.99 cw(c3975.28,817.39) 3975.28,821.79 4102.91,821.79 ccw(c4102.91,833.99) 4115.11,833.99 ccw(c4102.91,833.99) 4102.91,846.19 3975.28,846.19 cw(c3975.28,850.59) 3975.28,854.99 4102.91,854.99 ccw(c4102.91,867.19) 4115.11,867.19 ccw(c4102.91,867.19) 4102.91,879.39 3975.28,879.39 cw(c3975.28,883.79) 3975.28,888.19 4102.91,888.19 ccw(c4102.91,900.39) 4115.11,900.39 ccw(c4102.91,900.39) 4102.91,912.59 4047.39,912.59 cw(c4047.39,916.99) 4042.99,916.99 4042.99,1083.96 4402.99,1443.96 4402.99,2081.61 4334.61,2149.99 4334.61,2180.61 4353.58,2199.58 4353.58,2354.21 4333.9,2373.89 4333.9,2404.12 v1(4349.5,2419.72)
ZDOK1.DP_P36: P11.F15 U1.M36 | length 3342.4
  L1_TOP w5: U1.M36@4448.82,2598.43 4467.61,2579.64 v1(4467.61,2577.2)
  L12_S w3.8: P11.F15@4286,500 4255.96,500 4207.19,548.77 4207.19,783.19 4447.99,1023.99 4447.99,1403.79 cw(c4460.19,1403.79) 4460.19,1415.99 4506.22,1415.99 ccw(c4506.22,1420.39) 4510.62,1420.39 ccw(c4506.22,1420.39) 4506.22,1424.79 4425.76,1424.79 cw(c4425.76,1436.99) 4425.76,1449.19 4506.22,1449.19 ccw(c4506.22,1453.59) 4510.62,1453.59 ccw(c4506.22,1453.59) 4506.22,1457.99 4425.76,1457.99 cw(c4425.76,1470.19) 4425.76,1482.39 4506.22,1482.39 ccw(c4506.22,1486.79) 4510.62,1486.79 ccw(c4506.22,1486.79) 4506.22,1491.19 4425.76,1491.19 cw(c4425.76,1503.39) 4425.76,1515.59 4506.22,1515.59 ccw(c4506.22,1519.99) 4510.62,1519.99 ccw(c4506.22,1519.99) 4506.22,1524.39 4425.76,1524.39 cw(c4425.76,1536.59) 4425.76,1548.79 4506.22,1548.79 ccw(c4506.22,1553.19) 4510.62,1553.19 ccw(c4506.22,1553.19) 4506.22,1557.59 4425.76,1557.59 cw(c4425.76,1569.79) 4425.76,1581.99 4506.22,1581.99 ccw(c4506.22,1586.39) 4510.62,1586.39 ccw(c4506.22,1586.39) 4506.22,1590.79 4460.19,1590.79 cw(c4460.19,1602.99) 4447.99,1602.99 4447.99,1761.96 4416.19,1793.76 4416.19,2150.93 4405.36,2161.76 4405.36,2287.39 4426.69,2308.72 4426.69,2348.8 4404.84,2370.66 4404.84,2521.86 4412.64,2529.66 4412.64,2544.3 4421.77,2553.43 4426.53,2553.43 4452.01,2578.91 4465.9,2578.91 v1(4467.61,2577.2)
ZDOK1.DP_P37: P11.F17 U1.N38 | length 3346.2
  L1_TOP w5: U1.N38@4408.55,2518.15 v1(4428.24,2498.46)
  L9_R w3.8: v1(4428.24,2498.46) 4452.01,2474.69 4452.01,2319.51 4430.99,2298.49 4430.99,2160.79 4482.56,2109.22 4482.56,1898.32 4515.99,1864.89 4515.99,1814.99 ccw(c4520.39,1814.99) 4520.39,1810.59 4582.58,1810.59 cw(c4582.58,1798.39) 4594.78,1798.39 cw(c4582.58,1798.39) 4582.58,1786.19 4477.2,1786.19 ccw(c4477.2,1781.79) 4477.2,1777.39 4582.58,1777.39 cw(c4582.58,1765.19) 4594.78,1765.19 cw(c4582.58,1765.19) 4582.58,1752.99 4477.2,1752.99 ccw(c4477.2,1748.59) 4477.2,1744.19 4582.58,1744.19 cw(c4582.58,1731.99) 4594.78,1731.99 cw(c4582.58,1731.99) 4582.58,1719.79 4477.2,1719.79 ccw(c4477.2,1715.39) 4477.2,1710.99 4582.58,1710.99 cw(c4582.58,1698.79) 4594.78,1698.79 cw(c4582.58,1698.79) 4582.58,1686.59 4477.2,1686.59 ccw(c4477.2,1682.19) 4477.2,1677.79 4582.58,1677.79 cw(c4582.58,1665.59) 4594.78,1665.59 cw(c4582.58,1665.59) 4582.58,1653.39 4477.2,1653.39 ccw(c4477.2,1648.99) 4477.2,1644.59 4503.79,1644.59 cw(c4503.79,1632.39) 4515.99,1632.39 4515.99,1164.96 4390.51,1039.48 4390.51,595.48 4419.28,566.71 4419.28,521.74 4444.51,496.51 4486.51,496.51 P11.F17@4490,500